# Altium PCB mantarray_beta2_sensor_arrayed.PcbDoc (part 1 of 4)
Units mil, origin at the board's own origin, x right, y up, seen from the top; angles counter-clockwise.
Board outline 13674.34 x 20798.35 mil, 2 copper layers (Layer1_Top, Layer8_BOT); 47 components, 273 nets, 1821 pads, 734 vias.
Unrouted connection lines stored in the file: 1.
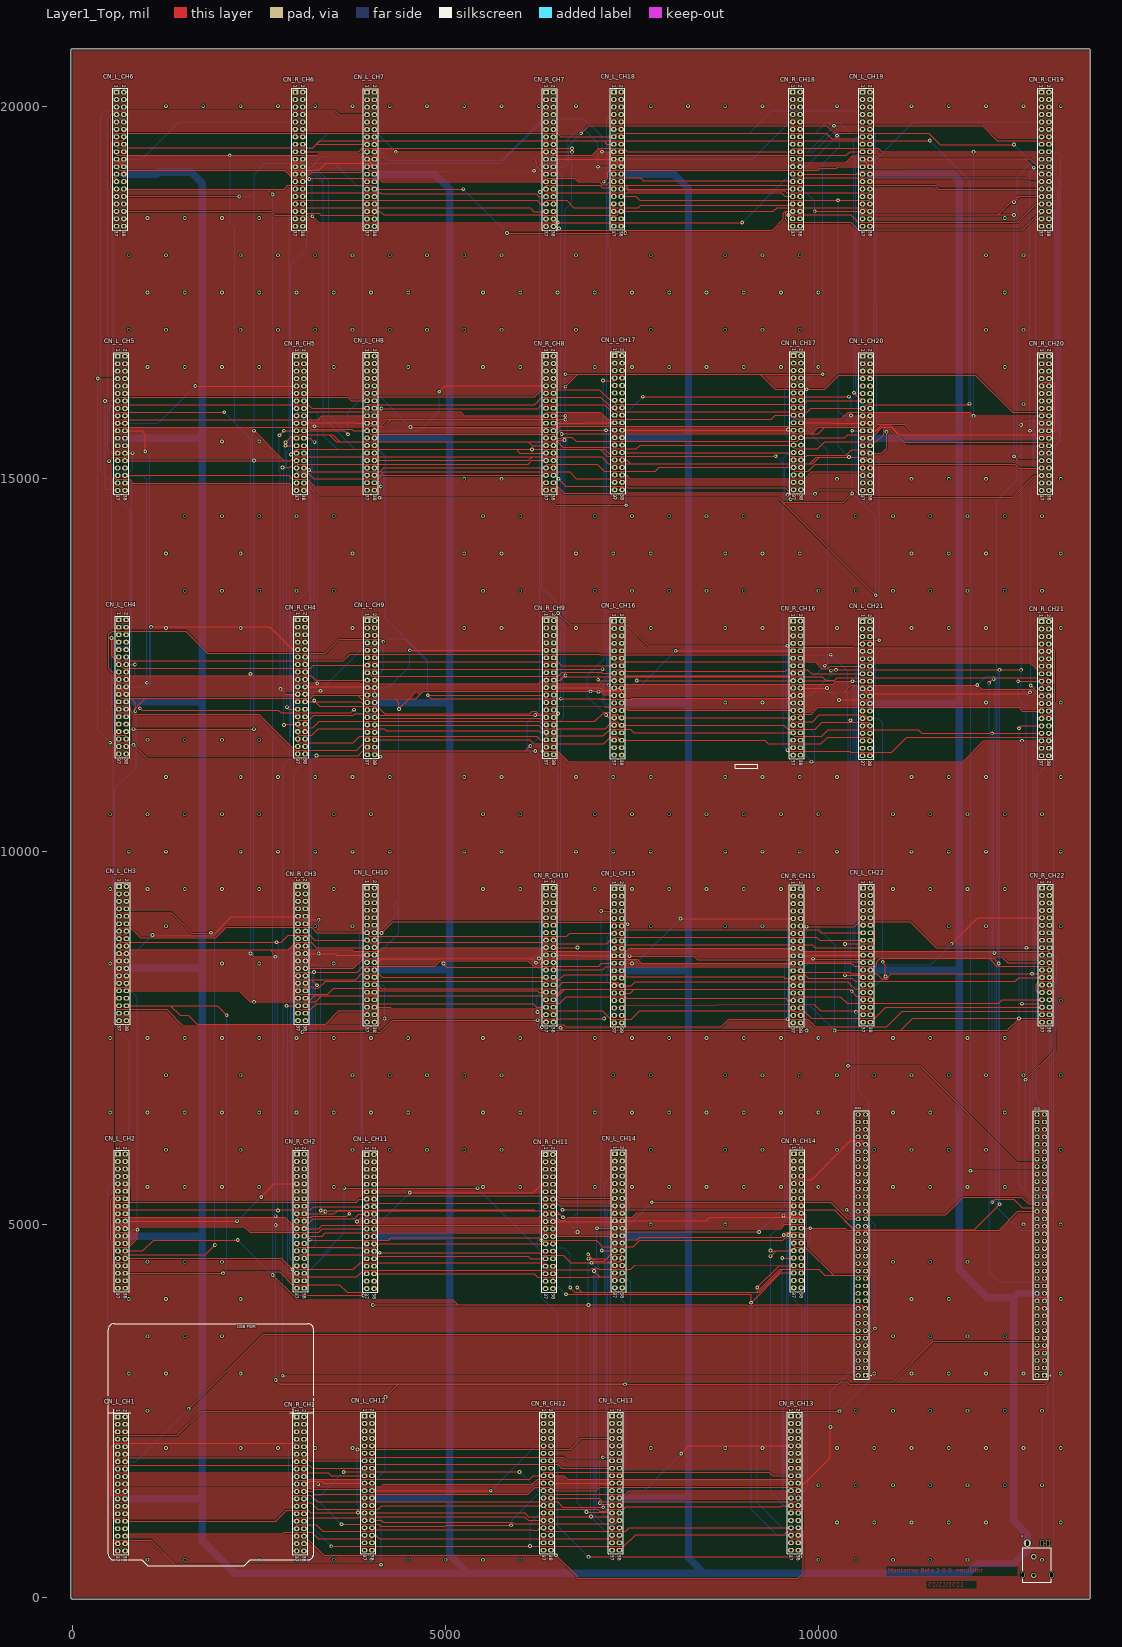
[diagram p0: Layer1_Top view]
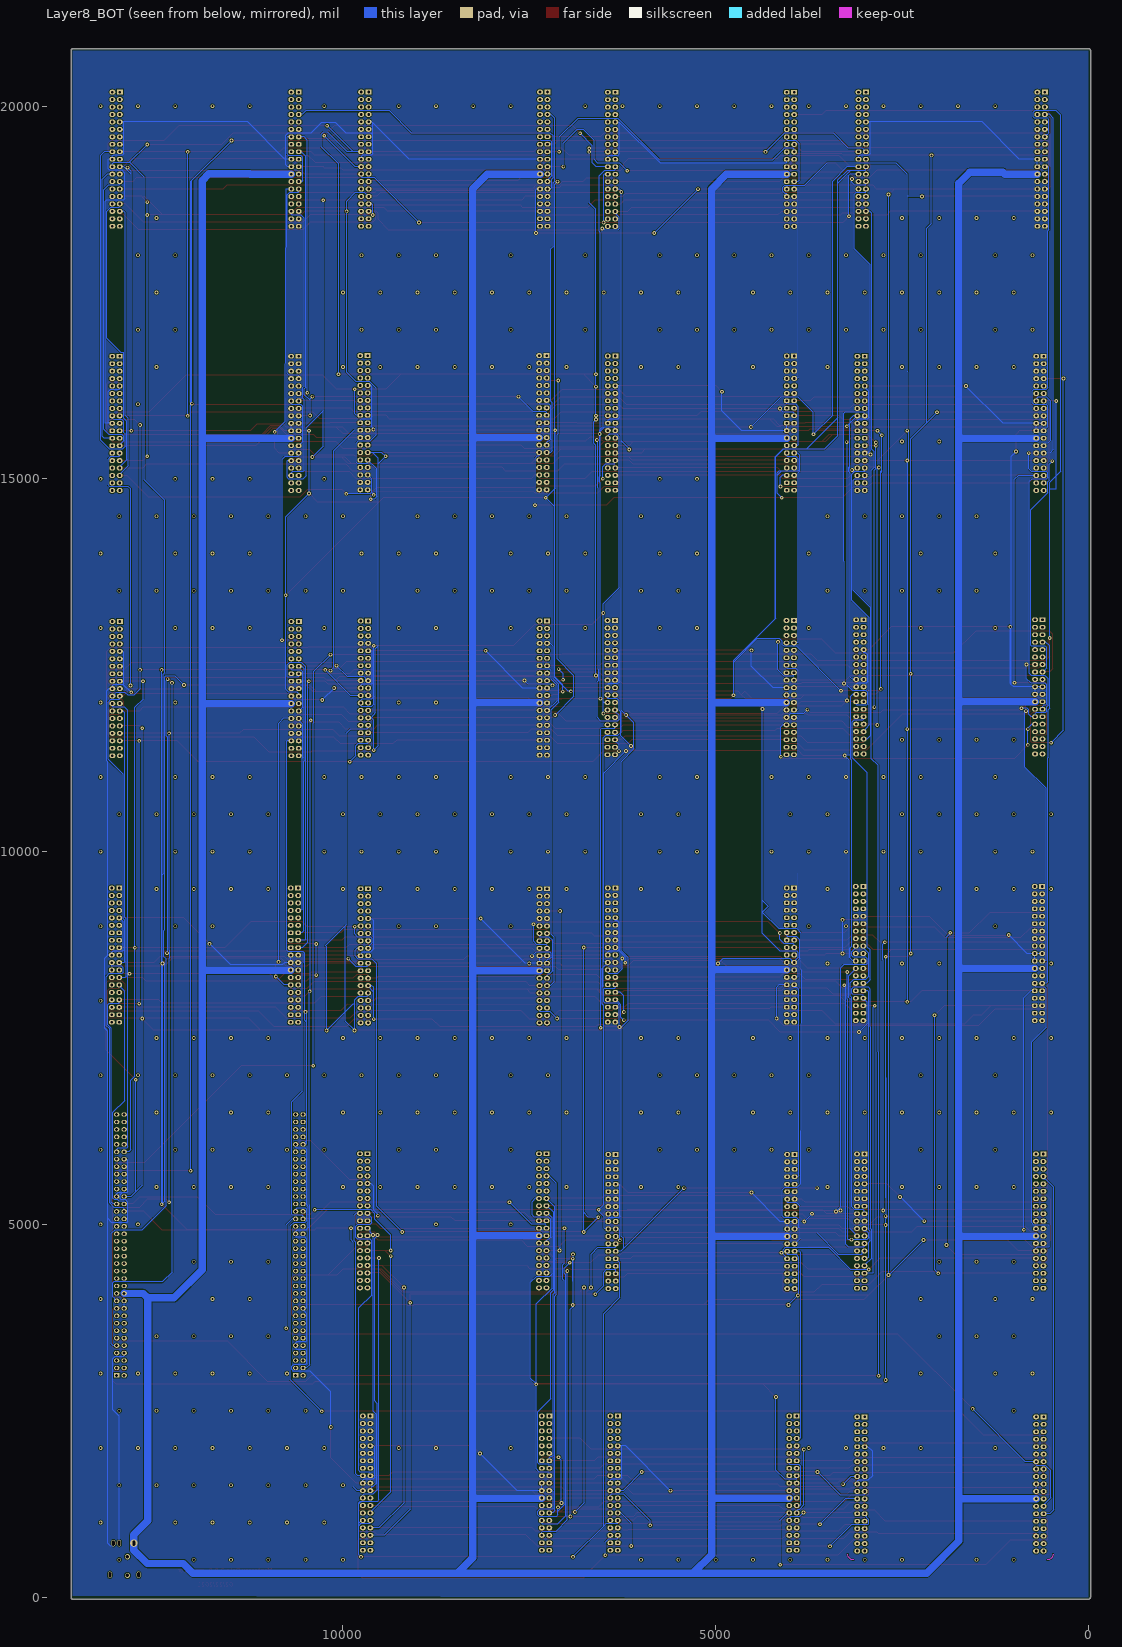
[diagram p1: Layer8_BOT view, seen from below]

## Layer stack, top to bottom
Top Solder: solder mask 0.4, Solder Resist, Dk 3.5
Layer1_Top: signal copper 1.378
Dielectric 1: dielectric 12.6, FR-4, Dk 4.1
Layer8_BOT: signal copper 1.378
Bottom Solder: solder mask 0.4, Solder Resist, Dk 3.5

## Board outline
-28.65,0 -28.65,20746.06 cw(c-5.02,20746.06) -5.02,20769.7 13622.05,20769.7 cw(c13622.05,20746.06) 13645.68,20746.06 13645.68,-5.02 cw(c13622.05,-5.02) 13622.05,-28.65 0,-28.65 cw(c0,-5.02) -19.03,-19.03 cw(c-5.02,0)

## Design rules (kind name [scope] priority, off if disabled: settings)
Clearance [All] p1: gap=10 ignorepadtopadclearanceinfootprint=FALSE
DiffPairsRouting [All] p1: maxlimit=50 minlimit=5 mostfreqgap=5 toplayer_minwidth=5 toplayer_maxwidth=10 toplayer_prefwidth=5 bottomlayer_minwidth=5 bottomlayer_maxwidth=10 bottomlayer_prefwidth=5 maxuncoupledlength=1000
HoleSize [All] p1: absolutevalues=TRUE maxlimit=200 minlimit=5 maxpercent=80.000 minpercent=20.000
HoleToHoleClearance [All] p1: gap=5 allowstackedmicrovias=TRUE
MinimumAnnularRing [All] p1: minimumring=2
MinimumSolderMaskSliver SoldermaskSliver_pad [InPadClass('All Pads') vs InPadClass('All Pads')] p1: minsoldermaskwidth=1
MinimumSolderMaskSliver [All] p2: minsoldermaskwidth=0.98
PlaneClearance [All] p1: clearance=10
PlaneConnect [All] p1: planeconnectstyle=Direct reliefexpansion=20 reliefentries=4 reliefconductorwidth=10 reliefairgap=10
PolygonConnect [All] p1: connectstyle=Relief reliefconductorwidth=10 reliefentries=4 polygonreliefangle="45 Angle" airgapwidth=10
RoomDefinition CH5 [InComponentClass('CH5')] p1: confinementstyle=ConfineIn formatcopy=TRUE lockcomponents=FALSE outline 204.67,14584.65 3437.44,14584.65 3437.44,18051.18 204.67,18051.18
RoomDefinition CH13 [InComponentClass('CH13')] p2: confinementstyle=ConfineIn formatcopy=TRUE lockcomponents=FALSE outline 6836.56,368.11 10069.33,368.11 10069.33,3834.65 6836.56,3834.65
RoomDefinition STM32H745 [InComponentClass('STM32H745')] p3: confinementstyle=ConfineIn formatcopy=TRUE lockcomponents=FALSE outline 13183.01,1402.76 13183.01,7064.17 10411.75,7064.17 10411.75,1402.76
RoomDefinition mantarray_beta2_sensor [InComponentClass('mantarray_beta2_sensor')] p4: confinementstyle=ConfineIn formatcopy=TRUE lockcomponents=FALSE outline 12699.45,0 13159.45,0 13159.45,780 12699.45,780
RoomDefinition CH1 [InComponentClass('CH1')] p5: confinementstyle=ConfineIn formatcopy=TRUE lockcomponents=FALSE outline 205.69,357.32 3438.46,357.32 3438.46,3823.86 205.69,3823.86
RoomDefinition CH16 [InComponentClass('CH16')] p6: confinementstyle=ConfineIn formatcopy=TRUE lockcomponents=FALSE outline 6866.08,11033.46 10098.86,11033.46 10098.86,14500 6866.08,14500
RoomDefinition CH8 [InComponentClass('CH8')] p7: confinementstyle=ConfineIn formatcopy=TRUE lockcomponents=FALSE outline 3551.12,14586.61 6783.9,14586.61 6783.9,18053.15 3551.12,18053.15
RoomDefinition CH14 [InComponentClass('CH14')] p8: confinementstyle=ConfineIn formatcopy=TRUE lockcomponents=FALSE outline 6874.8,3887.56 10107.58,3887.56 10107.58,7354.09 6874.8,7354.09
RoomDefinition CH15 [InComponentClass('CH15')] p9: confinementstyle=ConfineIn formatcopy=TRUE lockcomponents=FALSE outline 6866.93,7442.28 10099.7,7442.28 10099.7,10908.82 6866.93,10908.82
RoomDefinition CH9 [InComponentClass('CH9')] p10: confinementstyle=ConfineIn formatcopy=TRUE lockcomponents=FALSE outline 3555.06,11039.37 6787.83,11039.37 6787.83,14505.91 3555.06,14505.91
RoomDefinition CH7 [InComponentClass('CH7')] p11: confinementstyle=ConfineIn formatcopy=TRUE lockcomponents=FALSE outline 3551.12,18125.98 6783.9,18125.98 6783.9,21592.52 3551.12,21592.52
RoomDefinition CH6 [InComponentClass('CH6')] p12: confinementstyle=ConfineIn formatcopy=TRUE lockcomponents=FALSE outline 188.98,18127.32 3421.75,18127.32 3421.75,21593.86 188.98,21593.86
RoomDefinition CH20 [InComponentClass('CH20')] p13: confinementstyle=ConfineIn formatcopy=TRUE lockcomponents=FALSE outline 10198.76,14584.65 13431.54,14584.65 13431.54,18051.18 10198.76,18051.18
RoomDefinition CH22 [InComponentClass('CH22')] p14: confinementstyle=ConfineIn formatcopy=TRUE lockcomponents=FALSE outline 10204.67,7450.79 13437.44,7450.79 13437.44,10917.32 10204.67,10917.32
RoomDefinition CH19 [InComponentClass('CH19')] p15: confinementstyle=ConfineIn formatcopy=TRUE lockcomponents=FALSE outline 10197.24,18127.32 13430.02,18127.32 13430.02,21593.86 10197.24,21593.86
RoomDefinition CH18 [InComponentClass('CH18')] p16: confinementstyle=ConfineIn formatcopy=TRUE lockcomponents=FALSE outline 6860.18,18127.95 10092.95,18127.95 10092.95,21594.49 6860.18,21594.49
RoomDefinition CH3 [InComponentClass('CH3')] p17: confinementstyle=ConfineIn formatcopy=TRUE lockcomponents=FALSE outline 224.35,7472.44 3457.13,7472.44 3457.13,10938.98 224.35,10938.98
RoomDefinition CH2 [InComponentClass('CH2')] p18: confinementstyle=ConfineIn formatcopy=TRUE lockcomponents=FALSE outline 208.66,3882.83 3441.44,3882.83 3441.44,7349.37 208.66,7349.37
RoomDefinition CH12 [InComponentClass('CH12')] p19: confinementstyle=ConfineIn formatcopy=TRUE lockcomponents=FALSE outline 3517.66,368.11 6750.43,368.11 6750.43,3834.65 3517.66,3834.65
RoomDefinition CH11 [InComponentClass('CH11')] p20: confinementstyle=ConfineIn formatcopy=TRUE lockcomponents=FALSE outline 3545.22,3877.95 6777.99,3877.95 6777.99,7344.49 3545.22,7344.49
RoomDefinition CH4 [InComponentClass('CH4')] p21: confinementstyle=ConfineIn formatcopy=TRUE lockcomponents=FALSE outline 219.92,11049.21 3452.7,11049.21 3452.7,14515.75 219.92,14515.75
RoomDefinition CH10 [InComponentClass('CH10')] p22: confinementstyle=ConfineIn formatcopy=TRUE lockcomponents=FALSE outline 3551.12,7452.76 6783.9,7452.76 6783.9,10919.29 3551.12,10919.29
RoomDefinition CH21 [InComponentClass('CH21')] p23: confinementstyle=ConfineIn formatcopy=TRUE lockcomponents=FALSE outline 10196.79,11025.59 13429.57,11025.59 13429.57,14492.13 10196.79,14492.13
RoomDefinition CH17 [InComponentClass('CH17')] p24: confinementstyle=ConfineIn formatcopy=TRUE lockcomponents=FALSE outline 6871.99,14592.52 10104.76,14592.52 10104.76,18059.06 6871.99,18059.06
RoutingTopology [All] p1: topology=Daisy_MidDriven
RoutingVias PowerVias [InNetClass('POWER')] p1: holewidth=12 width=20 viastyle="Through Hole" minholewidth=5 minwidth=8 maxholewidth=50 maxwidth=80
RoutingVias [All] p2: holewidth=25 width=50 viastyle="Through Hole" minholewidth=15 minwidth=35 maxholewidth=50 maxwidth=80
SilkToSolderMaskClearance [IsPad] p1: minsilkscreentomaskgap=5 clearancetoexposedcopper=TRUE
SolderMaskExpansion [IsVia] p1: expansion=0 istentingtop=FALSE
Width [All] p1: maxlimit=120 minlimit=8 preferedwidth=10
Width "Power width" [InNet('VIN')] p2: maxlimit=100 minlimit=60 preferedwidth=60
21 further rules are at their usual default settings.

## Classes and differential pairs
component class CH22: CN_L_CH22 CN_R_CH22
component class CH21: CN_L_CH21 CN_R_CH21
component class CH20: CN_L_CH20 CN_R_CH20
component class CH19: CN_L_CH19 CN_R_CH19
component class CH18: CN_L_CH18 CN_R_CH18
component class CH17: CN_L_CH17 CN_R_CH17
component class CH10: CN_L_CH10 CN_R_CH10
component class CH9: CN_L_CH9 CN_R_CH9
component class CH8: CN_L_CH8 CN_R_CH8
component class CH7: CN_L_CH7 CN_R_CH7
component class CH6: CN_L_CH6 CN_R_CH6
component class CH5: CN_L_CH5 CN_R_CH5
component class CH4: CN_L_CH4 CN_R_CH4
component class CH3: CN_L_CH3 CN_R_CH3
component class CH2: CN_L_CH2 CN_R_CH2
component class CH1: CN_L_CH1 CN_R_CH1
net class BUS_C[7..0]: BUS_C0 BUS_C1 BUS_C2 BUS_C3 BUS_C4 BUS_C5 BUS_C6 BUS_C7
net class BUS[15..0]: BUS0 BUS1 BUS2 BUS3 BUS4 BUS5 BUS6 BUS7 BUS8 BUS9 BUS10 BUS11 BUS12 BUS13 BUS14 BUS15
component class STM32H745: CN11 CN12 CN? HW? SB?
component class CH16: CN_L_CH16 CN_R_CH16
component class CH15: CN_L_CH15 CN_R_CH15
component class CH14: CN_L_CH14 CN_R_CH14
component class CH13: CN_L_CH13 CN_R_CH13
component class CH12: CN_L_CH12 CN_R_CH12
component class CH11: CN_L_CH11 CN_R_CH11
channel class Channel: CH1 CH2 CH3 CH4 CH5 CH6 CH7 CH8 CH9 CH10 CH11 CH12 CH13 CH14 CH15 CH16 CH17 CH18 CH19 CH20 CH21 CH22 CH23 CH24
component class mantarray_beta2_sensor: J1

## Components (designator, comment, footprint, x,y, rotation, side; value= is the part's Value field where it differs from the comment)
CN11 "Header 35x2" HDR_2x36_2R54_V_M 13033.8,2973.62 r90 top locked
CN12 "Header 35x2" HDR_2x36_2R54_V_M 10633.8,2973.62 r90 top locked
CN_L_CH1 "Header 19X2" HDR2X19 600.91,2417.8 r270 top locked (schematic designator CN_L)
CN_L_CH2 "Header 19X2" HDR2X19 603.88,5943.31 r270 top locked (schematic designator CN_L)
CN_L_CH3 "Header 19X2" HDR2X19 619.57,9532.91 r270 top locked (schematic designator CN_L)
CN_L_CH4 "Header 19X2" HDR2X19 615.14,13109.69 r270 top locked (schematic designator CN_L)
CN_L_CH5 "Header 19X2" HDR2X19 599.88,16645.12 r270 top locked (schematic designator CN_L)
CN_L_CH6 "Header 19X2" HDR2X19 584.19,20187.8 r270 top locked (schematic designator CN_L)
CN_L_CH7 "Header 19X2" HDR2X19 3946.34,20186.46 r270 top locked (schematic designator CN_L)
CN_L_CH8 "Header 19X2" HDR2X19 3946.34,16647.09 r270 top locked (schematic designator CN_L)
CN_L_CH9 "Header 19X2" HDR2X19 3950.28,13099.84 r270 top locked (schematic designator CN_L)
CN_L_CH10 "Header 19X2" HDR2X19 3946.34,9513.23 r270 top locked (schematic designator CN_L)
CN_L_CH11 "Header 19X2" HDR2X19 3940.43,5938.43 r270 top locked (schematic designator CN_L)
CN_L_CH12 "Header 19X2" HDR2X19 3912.87,2428.58 r270 top locked (schematic designator CN_L)
CN_L_CH13 "Header 19X2" HDR2X19 7231.77,2428.58 r270 top locked (schematic designator CN_L)
CN_L_CH14 "Header 19X2" HDR2X19 7270.02,5948.03 r270 top locked (schematic designator CN_L)
CN_L_CH15 "Header 19X2" HDR2X19 7262.15,9502.76 r270 top locked (schematic designator CN_L)
CN_L_CH16 "Header 19X2" HDR2X19 7261.3,13093.94 r270 top locked (schematic designator CN_L)
CN_L_CH17 "Header 19X2" HDR2X19 7267.2,16652.99 r270 top locked (schematic designator CN_L)
CN_L_CH18 "Header 19X2" HDR2X19 7255.39,20188.43 r270 top locked (schematic designator CN_L)
CN_L_CH19 "Header 19X2" HDR2X19 10592.46,20187.8 r270 top locked (schematic designator CN_L)
CN_L_CH20 "Header 19X2" HDR2X19 10593.98,16645.12 r270 top locked (schematic designator CN_L)
CN_L_CH21 "Header 19X2" HDR2X19 10592.01,13086.06 r270 top locked (schematic designator CN_L)
CN_L_CH22 "Header 19X2" HDR2X19 10599.88,9511.26 r270 top locked (schematic designator CN_L)
CN_R_CH1 "Header 19X2" HDR2X19 3000.91,2417.8 r270 top locked (schematic designator CN_R)
CN_R_CH2 "Header 19X2" HDR2X19 3003.88,5943.31 r270 top locked (schematic designator CN_R)
CN_R_CH3 "Header 19X2" HDR2X19 3019.57,9532.91 r270 top locked (schematic designator CN_R)
CN_R_CH4 "Header 19X2" HDR2X19 3015.14,13109.69 r270 top locked (schematic designator CN_R)
CN_R_CH5 "Header 19X2" HDR2X19 2999.88,16645.12 r270 top locked (schematic designator CN_R)
CN_R_CH6 "Header 19X2" HDR2X19 2984.19,20187.8 r270 top locked (schematic designator CN_R)
CN_R_CH7 "Header 19X2" HDR2X19 6346.34,20186.46 r270 top locked (schematic designator CN_R)
CN_R_CH8 "Header 19X2" HDR2X19 6346.34,16647.09 r270 top locked (schematic designator CN_R)
CN_R_CH9 "Header 19X2" HDR2X19 6350.28,13099.84 r270 top locked (schematic designator CN_R)
CN_R_CH10 "Header 19X2" HDR2X19 6346.34,9513.23 r270 top locked (schematic designator CN_R)
CN_R_CH11 "Header 19X2" HDR2X19 6340.43,5938.43 r270 top locked (schematic designator CN_R)
CN_R_CH12 "Header 19X2" HDR2X19 6312.87,2428.58 r270 top locked (schematic designator CN_R)
CN_R_CH13 "Header 19X2" HDR2X19 9631.77,2428.58 r270 top locked (schematic designator CN_R)
CN_R_CH14 "Header 19X2" HDR2X19 9670.02,5948.03 r270 top locked (schematic designator CN_R)
CN_R_CH15 "Header 19X2" HDR2X19 9662.15,9502.76 r270 top locked (schematic designator CN_R)
CN_R_CH16 "Header 19X2" HDR2X19 9661.3,13093.94 r270 top locked (schematic designator CN_R)
CN_R_CH17 "Header 19X2" HDR2X19 9667.2,16652.99 r270 top locked (schematic designator CN_R)
CN_R_CH18 "Header 19X2" HDR2X19 9655.39,20188.43 r270 top locked (schematic designator CN_R)
CN_R_CH19 "Header 19X2" HDR2X19 12992.46,20187.8 r270 top locked (schematic designator CN_R)
CN_R_CH20 "Header 19X2" HDR2X19 12993.98,16645.12 r270 top locked (schematic designator CN_R)
CN_R_CH21 "Header 19X2" HDR2X19 12992.01,13086.06 r270 top locked (schematic designator CN_R)
CN_R_CH22 "Header 19X2" HDR2X19 12999.88,9511.26 r270 top locked (schematic designator CN_R)
J1 "PJ-001AH-67" PJ-001AH-67 12803.39,724.05 r90 top

## Footprints (in the part's own frame and the unit in brackets; to place one, negate y for a bottom-side part, rotate by r counter-clockwise, add the part's x,y. Pads: shape width x height; smd on the part's side, far side on the other; paste and mask are expansions set on the pad)
HDR2X19 [mil] "Connector; Header; 19x2 Position"
  rect 65x80 hole 36: 1(0,0)
  oval 65x80 hole 36: 2(0,100) 3(100,0) 4(100,100) 5(200,0) 6(200,100) 7(300,0) 8(300,100) 9(400,0) 10(400,100) 11(500,0) 12(500,100) 13(600,0) 14(600,100) 15(700,0) 16(700,100) 17(800,0) 18(800,100) 19(900,0) 20(900,100) 21(1000,0) 22(1000,100) 23(1100,0) 24(1100,100) 25(1200,0) 26(1200,100) 27(1300,0) 28(1300,100) 29(1400,0) 30(1400,100) 31(1500,0) 32(1500,100) 33(1600,0) 34(1600,100) 35(1700,0) 36(1700,100) 37(1800,0) 38(1800,100)
  silkscreen extent -50,-50 1850,150
HDR_2x36_2R54_V_M [mm] "Male Header, Pitch 2.54mm, 36x2 Position, Mated Height 6mm, Tail Length 3mm"
  rect 1.5x1.8 hole 1.02: 1(0,0)
  oval 1.5x1.8 hole 1.02: 2(0,2.54) 3(2.54,0) 4(2.54,2.54) 5(5.08,0) 6(5.08,2.54) 7(7.62,0) 8(7.62,2.54) 9(10.16,0) 10(10.16,2.54) 11(12.7,0) 12(12.7,2.54) 13(15.24,0) 14(15.24,2.54) 15(17.78,0) 16(17.78,2.54) 17(20.32,0) 18(20.32,2.54) 19(22.86,0) 20(22.86,2.54) 21(25.4,0) 22(25.4,2.54) 23(27.94,0) 24(27.94,2.54) 25(30.48,0) 26(30.48,2.54) 27(33.02,0) 28(33.02,2.54) 29(35.56,0) 30(35.56,2.54) 31(38.1,0) 32(38.1,2.54) 33(40.64,0) 34(40.64,2.54) 35(43.18,0) 36(43.18,2.54) 37(45.72,0) 38(45.72,2.54) 39(48.26,0) 40(48.26,2.54) 41(50.8,0) 42(50.8,2.54) 43(53.34,0) 44(53.34,2.54) 45(55.88,0) 46(55.88,2.54) 47(58.42,0) 48(58.42,2.54) 49(60.96,0) 50(60.96,2.54) 51(63.5,0) 52(63.5,2.54) 53(66.04,0) 54(66.04,2.54) 55(68.58,0) 56(68.58,2.54) 57(71.12,0) 58(71.12,2.54) 59(73.66,0) 60(73.66,2.54) 61(76.2,0) 62(76.2,2.54) 63(78.74,0) 64(78.74,2.54) 65(81.28,0) 66(81.28,2.54) 67(83.82,0) 68(83.82,2.54) 69(86.36,0) 70(86.36,2.54) 71(88.9,0) 72(88.9,2.54)
  silkscreen extent -1.27,-1.96 90.17,3.81, body extent -1.27,-1.27 90.17,3.81, height 9
PJ-001AH-67 [mm]
  round 2.54 hole 0.8 slot 1.7 at 0 deg: 1(0,0)
  oval 2.2x1.3 hole 0.8 slot 1.7 at 0 deg: 2(0,-7) 3(0,-5) ""(-10.8,-8.2) ""(-10.8,1.6)
  silkscreen extent -13.3,-8.2 -1.6,1.6, body extent -16.65,-8.4 0.65,2.25, height 8.2

## Part data
CN11 CN12: library part MCD-01210, "Header, 35x2, 2,54mm, VR, TH, Height 5.84mm/2.54mm", ComponentLink1Description=digikey, ComponentLink1URL=https://www.digikey.com/en/products/detail/929975-01-36-RK/929975E-01-36-ND/1094325?itemSeq=354777972, Parameter 1=929975E-01-36-ND
CN_L_CH1 CN_L_CH2 CN_L_CH3 CN_L_CH4 CN_L_CH5 CN_L_CH6 CN_L_CH7 CN_L_CH8 CN_L_CH9 CN_L_CH10 CN_L_CH11 CN_L_CH12 CN_L_CH13 CN_L_CH14 CN_L_CH15 CN_L_CH16 CN_L_CH17 CN_L_CH18 CN_L_CH19 CN_L_CH20 CN_L_CH21 CN_L_CH22 CN_R_CH1 CN_R_CH2 CN_R_CH3 CN_R_CH4 CN_R_CH5 CN_R_CH6 CN_R_CH7 CN_R_CH8 CN_R_CH9 CN_R_CH10 CN_R_CH11 CN_R_CH12 CN_R_CH13 CN_R_CH14 CN_R_CH15 CN_R_CH16 CN_R_CH17 CN_R_CH18 CN_R_CH19 CN_R_CH20 CN_R_CH21 CN_R_CH22: "Connectors, Interconnects / Rectangular Connectors - Headers, Receptacles, Female Sockets, 19-Hole, Dual row", digikey=https://www.digikey.com/en/products/detail/te-connectivity-amp-connectors/4-1734506-2/4022265, Publisher="Altium Limited", Revision="17-Jul-2002: Re-released for DXP Platform."
J1: "IP67 waterproof DC Power Jack", digikey=https://www.digikey.com/en/products/detail/cui-devices/PJ-001AH-67/9866231?s=N4IgTCBcDaIAoCkC0AGFBGAggCSQNgHYQBdAXyA

## Via types
v1: diameter 50, hole 30, Layer1_Top to Layer8_BOT, 454 vias
v2: diameter 50, hole 25, Layer1_Top to Layer8_BOT, 278 vias
v3: diameter 70.87, hole 47.24, Layer1_Top to Layer8_BOT, 2 vias

## Nets (pads, with @x,y where several pads share a name; then routed paths per layer and width w, separated by ;. In a path a pad name is that pad's centre, name@x,y a point inside that pad or via, vN(x,y) a via of type N, cw(c..) or ccw(c..) an arc to the next point about the centre after c; other vN are vias at no path point)
3V3: CN11.16
3V3_VDD: CN11.5
5V_from_eval: CN11.18
5V_USB_STLK: CN12.8
AGND: CN12.32
BOOT0: CN11.7
BUS0: CN12.64 CN_L_CH1.34 CN_L_CH2.34 CN_L_CH3.34 CN_L_CH4.34 CN_L_CH5.34 CN_L_CH6.34 CN_L_CH7.34 CN_L_CH8.34 CN_L_CH9.34 CN_L_CH10.34 CN_L_CH11.34 CN_L_CH12.34 CN_L_CH13.34 CN_L_CH14.34 CN_L_CH15.34 CN_L_CH16.34 CN_L_CH17.34 CN_L_CH18.34 CN_L_CH19.34 CN_L_CH20.34 CN_L_CH21.34 CN_L_CH22.34 | length 78302.9
  Layer1_Top w10: CN_L_CH6.34@684.19,18587.8 2657.2,18587.8 2707,18538 3130.38,18538 3155,18562.62 3303.25,18562.62 3327.87,18538 4034.34,18538 4046.34,18550 CN_L_CH7.34@4046.34,18586.46 4122.54,18586.46 4168,18541 6291,18541 6294,18538 7305,18538 7311,18544 7311,18588.43 CN_L_CH18.34@7355.39,18588.43 7355.39,18588 9397,18588 9447,18638 10620,18638 10655,18603 10655,18587.8 CN_L_CH19.34@10692.46,18587.8 ; CN_L_CH5.34@699.88,15045.12 753.12,15045.12 754,15046 2896,15046 2945,14997 3144,14997 3244,14897 v2(4131,14897) ; CN_L_CH1.34@700.91,817.8 700,817.8 700,849 2814,849 2833,868 3204,868 3291,781 4000,781 4012.87,793.87 CN_L_CH12.34@4012.87,828.58 4062.42,828.58 4110,781 7320,781 7331.77,792.77 CN_L_CH13.34@7331.77,828.58 ; CN_L_CH2.34@703.88,4343.31 v2@1991.31,4343.31 ; CN_L_CH4.34@715.14,11509.69 715.14,11550 705.14,11560 580,11560 560,11580 560,11940 ; CN_L_CH3.34@719.57,7932.91 1309,7932.91 ; v2(992,12265) 989,12262 580,12262 560,12242 560,11940 ; v2(2014,4343) 2013.69,4343.31 v2@1991.31,4343.31 ; v2(2063,7805) 1935.09,7932.91 1309,7932.91 ; CN_L_CH11.34@4040.43,4338.43 4096,4338.43 ; CN_L_CH8.34@4046.34,15047.09 4121.09,15047.09 4169,15095 6662,15095 6754,15003 7350.2,15003 7367.2,15020 CN_L_CH17.34@7367.2,15052.99 7424.01,15052.99 7472,15005 9822,15005 9910,15093 10680.98,15093 10693.98,15080 CN_L_CH20.34@10693.98,15045.12 ; CN_L_CH9.34@4050.28,11499.84 CN_L_CH9.34@4050.28,11499 ; v2(6989,4374) 7064,4299 ; v2(7126,7761) 6320,7761 6291,7790 6291,7860 6260,7891 4280.23,7891 4258,7913.23 CN_L_CH10.34@4046.34,7913.23 4046.23,7913.23 3996,7863 3568,7863 3390,7685 1666,7685 1546,7805 1436.91,7805 1309,7932.91 ; 7320,4299 7064,4299 ; 7323,4302 7326,4305 ; 7329,4302 7354,4327 7354,4348.03 CN_L_CH14.34@7370.02,4348.03 ; CN_L_CH15.34@7362.15,7902.76 7362.15,7940 9941,7953 10031,7863 v2@10515,7863 ; v2(10503,7851) v2@10515,7863 ; CN_L_CH21.34@10692.01,11486.06 10692.01,11523.99 10680,11536 10124,11536 10032,11444 9329,11444 9279.06,11493.94 CN_L_CH16.34@7361.3,11493.94 7323,11493.94 7323,11521 7300,11544 7214,11544 7119,11449 6176,11449 6126,11499 CN_L_CH9.34@4050.28,11499 ; CN_L_CH22.34@10699.88,7911.26 10699.88,7863 v2@10515,7863 ; 560,11940 580,11960 758,11960 778,11940 778,11886 820,11844 2494,11844 2978,11360 3807,11360 3895,11448 4040,11448 4050.28,11458.28 CN_L_CH9.34@4050.28,11499 ; v2@1991.31,4343.31 2002.5,4354.5 2014,4366 2772,4366 2945,4193 3576,4193 3682.58,4086.42 4082.42,4086.42 4096,4100 4096,4338.43 ; 4096,4338.43 4096.43,4338 6188,4338 6236,4290 6935,4290 6944,4299 7064,4299